# Altium PCB DevKitWRM1470-r1.0.PcbDoc (continued)
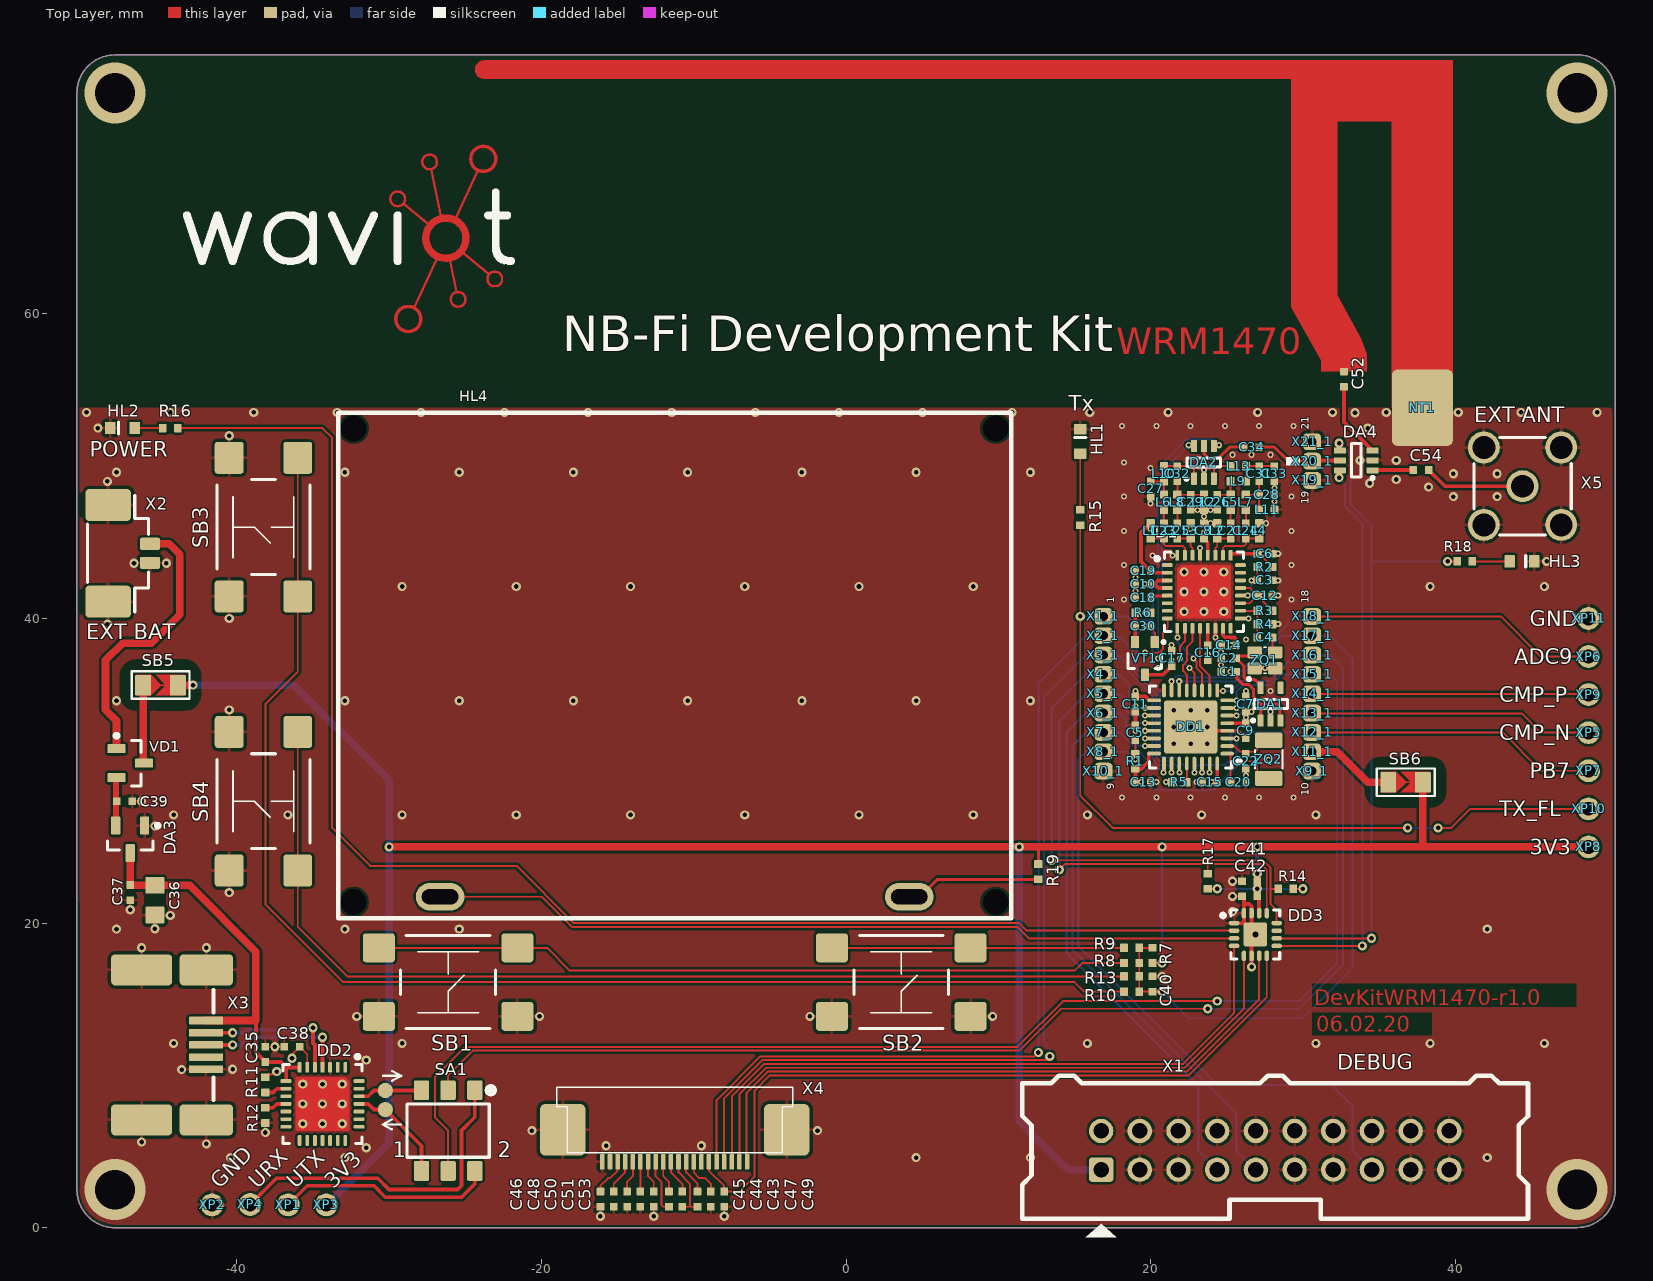
[diagram p0: Top Layer view]
## Footprints (in the part's own frame and the unit in brackets; to place one, negate y for a bottom-side part, rotate by r counter-clockwise, add the part's x,y. Pads: shape width x height; smd on the part's side, far side on the other; paste and mask are expansions set on the pad) (continued)
NETTIE-5.0x4.0 [mm]
  rrect25% 2.8x4 smd mask+0.075: 1(-1.1,0) 2(1.1,0)
PAD-d0.6-h1.1-l1.2 [mm]
  rrect50% 1.2x1.1 / inner rrect50% 1.1x1.1 / far side rrect50% 2x1.1 hole 0.6 mask+0.05: 1(0,0)
QFN16 [mm] "QFN-16, 16-Leads, Body 3,00x3,00mm, Pitch 0,50mm"
  oval 0.7x0.3 smd: 1(-1.4,0.75) 2(-1.4,0.25) 3(-1.4,-0.25) 4(-1.4,-0.75) 9(1.4,-0.75) 10(1.4,-0.25) 11(1.4,0.25) 12(1.4,0.75)
  oval 0.3x0.7 smd: 5(-0.75,-1.4) 6(-0.25,-1.4) 7(0.25,-1.4) 8(0.75,-1.4) 13(0.75,1.4) 14(0.25,1.4) 15(-0.25,1.4) 16(-0.75,1.4)
  rrect15% 1.55x1.55 smd: 17(0,0)
  silkscreen extent -2.22,-1.6 1.6,1.6, body extent -1.5,-1.5 1.5,1.5, height 0.9
QFN28 [mm] "QFN, 28-Leads, Body 5,00x5,00mm, Pitch 0,50mm, Thermal Pad 3,5x3,5mm"
  rrect50% 0.7x0.25 smd: 1(-2.4,1.5) 2(-2.4,1) 3(-2.4,0.5) 4(-2.4,0) 5(-2.4,-0.5) 6(-2.4,-1) 7(-2.4,-1.5) 15(2.4,-1.5) 16(2.4,-1) 17(2.4,-0.5) 18(2.4,0) 19(2.4,0.5) 20(2.4,1) 21(2.4,1.5)
  rrect50% 0.25x0.7 smd: 8(-1.5,-2.4) 9(-1,-2.4) 10(-0.5,-2.4) 11(0,-2.4) 12(0.5,-2.4) 13(1,-2.4) 14(1.5,-2.4) 22(1.5,2.4) 23(1,2.4) 24(0.5,2.4) 25(0,2.4) 26(-0.5,2.4) 27(-1,2.4) 28(-1.5,2.4)
  round 0.6 hole 0.3: 29(0,0)
  Top Layer region: -1.75,1.5 -1.5,1.75 1.7,1.75 1.75,1.7 1.75,-1.7 1.7,-1.75 -1.7,-1.75 -1.75,-1.7
  silkscreen extent -3.22,-2.6 2.6,2.6, body extent -2.6,-2.6 2.6,2.6, height 1
QFN32 [mm] "QFN, 32-Leads, Body 5,00x5,00mm, Pitch 0,50mm, Thermal Pad 3,5x3,5mm"
  rrect50% 0.7x0.25 smd: 1(-2.4,1.75) 2(-2.4,1.25) 3(-2.4,0.75) 4(-2.4,0.25) 5(-2.4,-0.25) 6(-2.4,-0.75) 7(-2.4,-1.25) 8(-2.4,-1.75) 17(2.4,-1.75) 18(2.4,-1.25) 19(2.4,-0.75) 20(2.4,-0.25) 21(2.4,0.25) 22(2.4,0.75) 23(2.4,1.25) 24(2.4,1.75)
  rrect50% 0.25x0.7 smd: 9(-1.75,-2.4) 10(-1.25,-2.4) 11(-0.75,-2.4) 12(-0.25,-2.4) 13(0.25,-2.4) 14(0.75,-2.4) 15(1.25,-2.4) 16(1.75,-2.4) 25(1.75,2.4) 26(1.25,2.4) 27(0.75,2.4) 28(0.25,2.4) 29(-0.25,2.4) 30(-0.75,2.4) 31(-1.25,2.4) 32(-1.75,2.4)
  round 0.6 hole 0.3: 33(0,0)
  Top Layer region: -1.75,1.5 -1.5,1.75 1.7,1.75 1.75,1.7 1.75,-1.7 1.7,-1.75 -1.7,-1.75 -1.75,-1.7
  silkscreen extent -3.2,-2.6 2.6,2.6, body extent -2.5,-2.5 2.5,2.5, height 0.94
QSMD2.0x1.6x0.7 [mm]
  rrect25% 0.95x0.8 smd: 1(-0.675,-0.525) 2(0.675,-0.525) 3(0.675,0.525) 4(-0.675,0.525)
  silkscreen extent -1.15,-1.32 0.08,0.85, body extent -1.05,-0.85 1.05,0.85, height 0.56
QSMD3.2X1.5X0.8 [mm]
  rrect25% 1x1.8 smd: 1(-1.25,0) 3(1.25,0)
  silkscreen extent -0.6,-0.9 0.6,0.9, body extent -1.6,-0.75 1.6,0.75, height 0.71
R0402 [mm] "Chip Resistor 0402"
  rrect10% 0.5x0.55 smd: 1(-0.5,0) 2(0.5,0)
  Top Layer pour cut-out: -0.15,0.375 0.15,0.375 0.15,-0.375 -0.15,-0.375
  body extent -0.57,-0.27 0.58,0.28, height 0.41
SB0805 [mm] "Solder Jumper 0805"
  rrect10% 1.05x1.35 smd: 1(-1.15,0) 2(1.125,0)
  Top Layer region: -1.6,0.675 -0.625,0.675 0.05,0 -0.625,-0.675 -1.6,-0.675
  Top Layer region: 1.55,0.675 -0.325,0.675 0.35,0 -0.325,-0.675 1.55,-0.675
  silkscreen extent -1.9,-0.9 1.9,0.9
SOT23-3L [mm] "SOT23, 3-Leads, Body 2.9x1.3mm, Pitch 0.95mm, Lead Span 2.5mm, IPC High Density"
  rrect25% 0.6x1.2 smd: 1(-0.95,-0.9) 2(0.95,-0.9) 3(0,0.9)
  silkscreen extent -1.92,-1.02 1.5,0.7, body extent -1.45,-1.4 1.45,1.4, height 1.3
SOT323 [mm] "SOT323, 3-Leads, Body 2,00x2,10mm, Pitch 0,65mm, IPC Medium Density"
  rrect25% 0.55x0.8 smd: 1(-0.65,-1.075) 2(0.65,-1.075) 3(0,1.075)
  silkscreen extent -1.32,-1.17 1.1,0.67, body extent -1.1,-1.15 1.1,1.15, height 1.1
SOT323-5 [mm] "SOT323, 5-Leads, Body 2,00x2,10mm, Pitch 0,65mm, IPC Medium Density"
  rrect25% 0.4x0.8 smd: 1(-0.65,-1.075) 2(0,-1.075) 3(0.65,-1.075) 4(0.65,1.075) 5(-0.65,1.075)
  silkscreen extent -1.25,-1.17 1.1,0.3, body extent -1.1,-1.1 1.1,1.1, height 1.1
SOT323-6 [mm] "SOT323, 6-Leads, Body 2,00x2,10mm, Pitch 0,65mm, IPC Medium Density"
  rrect25% 0.4x0.8 smd: 1(-0.65,-1.075) 2(0,-1.075) 3(0.65,-1.075) 4(0.65,1.075) 5(0,1.075) 6(-0.65,1.075)
  silkscreen extent -1.25,-1.17 1.1,0.3, body extent -1.1,-1.2 1.1,1.2, height 1
UFQFPN32 [mm] "QFN, 32-Leads, Body 5,00x5,00mm, Pitch 0,50mm, Thermal Pad 3,50x3,50mm, IPC Medium Density"
  oval 0.9x0.25 smd: 1(-2.4,1.75) 2(-2.4,1.25) 3(-2.4,0.75) 4(-2.4,0.25) 5(-2.4,-0.25) 6(-2.4,-0.75) 7(-2.4,-1.25) 8(-2.4,-1.75) 17(2.4,-1.75) 18(2.4,-1.25) 19(2.4,-0.75) 20(2.4,-0.25) 21(2.4,0.25) 22(2.4,0.75) 23(2.4,1.25) 24(2.4,1.75)
  oval 0.25x0.9 smd: 9(-1.75,-2.4) 10(-1.25,-2.4) 11(-0.75,-2.4) 12(-0.25,-2.4) 13(0.25,-2.4) 14(0.75,-2.4) 15(1.25,-2.4) 16(1.75,-2.4) 25(1.75,2.4) 26(1.25,2.4) 27(0.75,2.4) 28(0.25,2.4) 29(-0.25,2.4) 30(-0.75,2.4) 31(-1.25,2.4) 32(-1.75,2.4)
  rrect10% 3.5x3.5 smd: 33(0,0)
  silkscreen extent -3.3,-2.7 2.7,2.7, body extent -2.6,-2.6 2.6,2.6, height 0.6

## Part data
C1 C2 C3: library part CC0402KRX5R5BB105, "CAP CER 1UF 6.3V X5R 0402", PartNumber=CC0402KRX5R5BB105
C4: library part CC0402JRX7R9BB102, "CAP CER 1000PF 50V X7R 0402", PartNumber=CC0402JRX7R9BB102
C5 C6 C8 C9 C10 C11 C12 C13 C14 C15 C16 C18 C19 C30 C35 C37 C38 C39 C40 C42: library part CC0402KRX7R8BB104, "CAP CER 0.1UF 25V X7R 0402", PartNumber=CC0402KRX7R8BB104
C7 C17 C41: library part CC0402KRX5R5BB475, "CAP CER 4.7UF 6.3V X5R 0402", PartNumber=CC0402KRX5R5BB475
C20 C22: library part CC0402CRNPO9BN7R5, "CAP CER 7.5PF 50V C0G/NPO 0402", PartNumber=CC0402CRNPO9BN7R5
C21 C24 C31 C32: library part CC0402BRNPO9BN2R7, "CAP CER 2.7PF 50V C0G/NPO 0402", PartNumber=CC0402BRNPO9BN2R7
C23 C25: library part CC0402JRNPO9BN101, "CAP CER 100PF 50V C0G/NPO 0402", PartNumber=CC0402JRNPO9BN101
C26 C27: library part CC0402CRNPO9BN6R2, "CAP CER 6.2PF 50V NPO 0402", PartNumber=CC0402CRNPO9BN6R2
C28 C29 C52: library part CC0402BRNPO9BN3R6, "CAP CER 3.6PF 50V NPO 0402", PartNumber=CC0402BRNPO9BN3R6
C33: library part CC0402CRNPO9BN5R1, "CAP CER 5.1PF 50V C0G/NPO 0402", PartNumber=CC0402CRNPO9BN5R1
C34 C54: library part CC0402JRNPO9BN331, "CAP CER 330PF 50V C0G/NPO 0402", PartNumber=CC0402JRNPO9BN331
C36: library part CL21A106KAFN3NE, "CAP CER 10UF 25V X5R 0805", PartNumber=CL21A106KAFN3NE
C43 C44 C45 C46 C47 C48 C49 C50 C51 C53: library part CC0402KRX5R7BB105, "CAP CER 1UF 16V X5R 0402", PartNumber=CC0402KRX5R7BB105
D1: "Waviot NB-Fi RF Transceiver QFN32", PartNumber="SWS1470-A0 QFN32"
DA1: "IC REG LINEAR 1.8V 80MA SC88A", PartNumber=NCP502SQ18T2G
DA2 DA4: library part MASWSS0115x, "RF Switch ICs DC-3.0GHz ISO 22dB IL <.3dB @ 2.4GHz", PartNumber=MASWSS0115TR-3000
DA3: "IC REG LINEAR 3.3V 300MA SOT23-3", PartNumber=AP2210N-3.3TRG1
DD1: "ARM® Cortex®-M0+ STM32L0 Microcontroller IC 32-Bit 32MHz 128KB (128K x 8) FLASH 32-UFQFPN (5x5)", PartNumber=STM32L071KBU6
DD2: "IC USB-TO-UART BRIDGE 28VQFN", PartNumber=CP2102-GMR
DD3: "IC I/O EXPANDER I2C 8B 16QFN", PartNumber=PCA9554ARGTR
HL1: "LED Red 0603 1.95V Forward voltage typ.", PartNumber=KP-1608SURCK
HL2 HL3: "Led Green 0603 2.2V Forward voltage typ.", PartNumber=KPH-1608SGD
HL4: "Display Graphical with LED-backlight", PartNumber=JHD12864
L1 L3: library part LQW15AN82NG00D, "FIXED IND 82NH 130MA 2.24 OHM", PartNumber=LQW15AN82NG00D
L2 L4 L5 L7: library part LQW15AN18NG00D, "FIXED IND 18NH 370MA 270 MOHM", PartNumber=LQW15AN18NG00D
L6 L8 L9 L10 L11 L12: library part LQW15AN12NG00D, "FIXED IND 12NH 500MA 140 MOHM", PartNumber=LQW15AN12NG00D
L13: library part LQW15AN6N8G00D, "FIXED IND 6.8NH 700MA 90 MOHM", PartNumber=LQW15AN6N8G00D
NT1: library part NT-1, "PCB Net Tie"
R1 R2 R7 R10 R11 R12: library part RC0402FR-0710KL, "RES SMD 10K OHM 1% 1/16W 0402", PartNumber=RC0402FR-0710KL
R3 R4: library part RC0402FR-071ML, "RES SMD 1M OHM 1% 1/16W 0402", PartNumber=RC0402FR-071ML
R5 R15 R16 R18: library part RC0402FR-071KL, "RES SMD 1K OHM 1% 1/16W 0402", PartNumber=RC0402FR-071KL
R6: library part RC0402FR-071RL, "RES SMD 1 OHM 1% 1/16W 0402", PartNumber=RC0402FR-071RL
R8: library part RC0402FR-07100RL, "RES SMD 100 OHM 1% 1/16W 0402", PartNumber=RC0402FR-07100RL
R9: library part RC0402FR-073K3L, "RES SMD 3.3K OHM 1% 1/16W 0402", PartNumber=RC0402FR-073K3L
R13: library part RC0402FR-0733KL, "RES SMD 33K OHM 1% 1/16W 0402", PartNumber=RC0402FR-0733KL
R14 R17: library part RC0402FR-074K7L, "RES SMD 4.7K OHM 1% 1/16W 0402", PartNumber=RC0402FR-07470RL
R19: library part RC0402FR-0722RL, "RES SMD 22 OHM 1% 1/16W 0402", PartNumber=RC0402FR-0722RL
SA1: "SWITCH SLIDE DPDT 100MA 6V", PartNumber=CAS-220TB
SB1 SB2 SB3 SB4: "SWITCH TACTILE SPST-NO 0.05A 24V", PartNumber=FSM4JSMATR
SB5 SB6: library part JS_0805, "Jumper Solder 0805"
VD1: "DIODE ARRAY SCHOTTKY 20V SOT23", PartNumber=PMEG2005CT
VT1: "MOSFET P-CH 20V 1A SOT323", PartNumber=PMF170XP
X1: "CONN MALE 20POS 2.54 (IDC-20MS)", PartNumber=BH-20
X1_1 X2_1 X3_1 X4_1 X5_1 X6_1 X7_1 X8_1 X9_1 X10_1 X11_1 X12_1 X13_1 X14_1 X15_1 X16_1 X17_1 X18_1 X19_1 X20_1 X21_1: library part PIN
X2: "CONN HEADER SMD 2POS 1.25MM", PartNumber=PLS-3
X3: "CONN RCPT USB2.0 MINI B SMD R/A", PartNumber=0548190572
X4: "CONN FFC BOTTOM 20POS 0.50MM R/A", PartNumber=0527462071
X5: "CONN SMA JACK STR 50 OHM PCB", PartNumber=5-1814832-1
ZQ1: library part NT2016SA-26.000000MHZ-NBG2, "TCXO Oscillator 4-pin", PartNumber=NT2016SA-26.000000MHZ-NBG2
ZQ2: library part "KX-327NHT 32.768 kHz", "Crystals 32.768KHz 12.5pF -40C +85C", PartNumber="KX-327NHT 32.768 kHz"

## Free pads (board coordinates)
  round 1 smd mask+0: 1(-30.25,7.75) 1(-30.25,9)

## Via types
v1: diameter 0.6, hole 0.3, Top Layer to Bottom Layer, tented both sides, 153 vias
v2: diameter 0.4, hole 0.2, Top Layer to Bottom Layer, tented both sides, 108 vias
v3: diameter 0.6, hole 0.3, Top Layer to Bottom Layer, tented bottom, 25 vias
v4: diameter 4, hole 2.6, Top Layer to Bottom Layer, 4 vias
v5: diameter 0.8, hole 0.4, Top Layer to Bottom Layer, tented both sides, 1 vias

## Nets (pads, with @x,y where several pads share a name; then routed paths per layer and width w, separated by ;. In a path a pad name is that pad's centre, name@x,y a point inside that pad or via, vN(x,y) a via of type N, cw(c..) or ccw(c..) an arc to the next point about the centre after c; other vN are vias at no path point)
+5V: C35.2 C36.1 C37.2 DA3.3 DD2.7 DD2.8 X3.1 | length 26.3
  Top Layer w0.25: -38.75,13.625 -38.75,13.6 -38.75,11.5 C35.2 -37.1,10.875 -36.75,10.525 ; DD2.8 -36.75,9.625 -36.75,10.525 ; DD2.7 -36.75,10.525
  Top Layer w0.5: C37.2@-47,22.475 C36.1 -43.1,22.475 -38.75,18.125 -38.75,13.625 ; C37.2 DA3.3 ; X3.1 -38.75,13.6
ADC8: C40.2 DD1.14 R7.1 R8.2 R9.2 R10.2 R13.2 X17_1.1 | length 53.4
  Top Layer w0.125: R9.2 R8.2 R13.2 R10.2 C40.2 v1(20.75,15.5) ; R9.2 R7.1
  Bottom Layer w0.125: v1(20.75,15.5) 22.5,13.75 30,13.75 33.25,17 33.25,37.375 31.775,38.85 28.579,38.85 25.591,35.863 21.887,35.863 v2(21.875,35.875)
ADC9: DD1.15 X18_1.1 XP6.1 | length 29.7
  Top Layer w0.125: 31.225,40.12 43.005,40.12 45.625,37.5 XP6.1
  Bottom Layer w0.125: v2(21.375,35.875) 21.375,35.888 21.725,36.238 22.262,36.238 22.387,36.113 25.487,36.113 29.495,40.12 X18_1.1@30.6,40.12
ANT_PCB: C52.2 NT1.1
ANT_SEL_V1: DA4.6 DD3.9 | length 37.5
  Top Layer w0.125: DD3.9 v1(33.902,18.5) ; v1(32.375,49.25) 32.375,49.675 DA4.6
  Bottom Layer w0.125: v1(32.375,49.25) 32.75,48.875 32.75,47.375 33.902,46.223 v1(33.902,18.5)
ANT_SEL_V2: DA4.4 DD3.10 R18.1 | length 45.7
  Top Layer w0.125: DD3.10 v1(34.5,19) ; v1(32.375,51.5) 32.375,51.075 DA4.4 ; v1(39.5,43.75) R18.1
  Bottom Layer w0.125: v1(32.375,51.5) 33.125,50.75 33.125,47.5 34.5,46.125 v1(34.5,19) ; 34.5,43.75 v1(39.5,43.75)
CHIP_IRQ: D1.8 DD1.18 | length 7.1
  Top Layer w0.125: v2(19.625,37.75) 20.562,37.75 20.812,38 20.812,39.063 21.125,39.375 21.125,39.975 D1.8
  PWR w0.125: v2(19.625,34.125) v2(19.625,37.75)
CHIP_NPWR: DD1.28 R5.1 | length 1.2
  Top Layer w0.125: R5.1 DD1.28
CHIPVCC: C1.2 C6.2 C8.2 C10.2 C12.2 C14.2 C17.2 D1.3 D1.4 D1.15 D1.19 D1.21 D1.25 D1.28 DA1.1 DA1.3 R2.2 R3.2 VT1.3 | length 46.1
  Top Layer w0.125: D1.19@25.875,41 26.5,41 26.625,41.125 C12.2 26.75,41.75 26.5,42 D1.21@25.875,42 ; v2(27.375,41.5) 27.375,41.125 R3.2 ; v2(27.375,44.25) 27.375,44.025 28,43.4 R2.2
  Top Layer w0.2: C1.2 25.625,36.103 26.053,35.675 26.426,35.675 26.75,35.351 26.75,34.875 27.25,34.375 ; DA1.1 27.25,34.375 ; DA1.3@28.5,33.25 28.5,34.188 28.312,34.375 27.25,34.375
  Top Layer w0.25: VT1.3 20.8,36.3 21.25,36.75 C17.2 ; D1.4 20.5,42 20.375,42.125 20.125,42.125 C10.2 20.125,42.375 20.375,42.375 20.5,42.5 D1.3 ; C8.2 23.75,45 D1.28 ; D1.15 24.75,38.896 24.896,38.75 25.5,38.75 25.625,38.625 C14.2 ; D1.25@25.25,44.25 C6.2
  PWR w0.25: v2(19.625,42.25) 20.875,42.25 ; v2(21.375,37.25) 20.875,37.75 20.875,39.25 ; v2(23.5,45.625) 23.125,45.25 21.625,45.25 20.875,44.5 20.875,42.25 ; v2(25.25,36.5) v2(25.25,38.25) 25.25,39.25 ; v2(27.375,44.25) v2(27.375,41.5) 27.375,40.188 26.437,39.25 25.25,39.25 ; 20.875,39.25 20.875,42.25 ; 20.875,39.25 25.25,39.25
CMP_N: DD1.6 X13_1.1 XP5.1 | length 23.6
  Top Layer w0.125: 31.225,33.77 44.355,33.77 45.625,32.5 XP5.1
  Bottom Layer w0.125: v2(25.625,33.625) 25.75,33.625 26.5,34.375 28.75,34.375 29.355,33.77 X13_1.1@30.6,33.77
CMP_P: DD1.7 X14_1.1 XP9.1 | length 22.9
  Top Layer w0.125: 31.225,35.04 XP9.1@48.71,35.04
  Bottom Layer w0.125: v2(25.625,34.125) 25.875,34.125 26.375,34.625 29,34.625 29.415,35.04 X14_1.1@30.6,35.04
  Bottom Layer w0.15: XP9.1@48.71,35.04 XP9.1
GND: C1.1 C2.1 C3.1 C5.2 C6.1 C7.2 C8.1 C9.2 C10.1 C11.2 C12.1 C13.2 C14.1 C15.2 C16.1 C17.1 C18.1 C19.1 C20.2 C22.2 C26.2 C27.2 C28.2 C29.2 C33.1 C35.1 C36.2 C37.1 C38.1 C39.1 C40.1 C41.1 C42.1 C46.1 C47.1 C48.1 C49.1 C50.1 C51.1 C53.1 D1.14 D1.17 D1.29 D1.32 D1.33 DA1.2 DA2.2 DA3.1 DA4.2 DD1.4 DD1.16 DD1.30 DD1.31 DD1.33 DD2.3 DD2.29 DD3.1 DD3.6 DD3.15 DD3.16 DD3.17 HL1.2 HL2.2 HL3.2 L2.2 L4.2 L11.1 L12.1 NT1.2 R4.1 R12.1 SB1.3 SB1.4 SB2.3 SB2.4 SB3.3 SB3.4 SB4.3 SB4.4 X1.3 X1.4 X1.5 X1.6 X1.8 X1.10 X1.11 X1.12 X1.13 X1.14 X1.16 X1.17 X1.18 X1.19 X1.20 X2.2 X2.3 X3.5 X3.6 X4.7 X4.19 X4.20 X4.21 X5.2 X9_1.1 X10_1.1 X19_1.1 X21_1.1 XP2.1 XP11.1 ZQ1.1 ZQ1.2 | length 17.9
  Top Layer w0.25: C5.2 C11.2 ; v3(22.625,32.875) 22.875,32.625 DD1.4 25.75,32.625 C9.2 ; D1.14 v2(24.25,38.75) 24.279,38.721 24.279,38.596 C14.1 ; DD3.1 25.485,19.99 26.125,19.99 ; C42.1 26.125,21.625 26.125,21.125 ; v1(26.625,17.125) DD3.6@26.625,17.875 ; DD3.6 DD3.17@26.625,19 ; v5(26.875,19.25) DD3.17@26.625,19.5 ; 26.125,21.125 26.125,21.25 26.469,21.25 26.615,21.104 26.615,20.66 DD3.15 DD3.17@26.625,19.5 ; 26.125,21.125 DD3.16 26.125,20 DD3.17@26.625,19.5
  Top Layer w0.3: C17.1@21.275,37.775 C17.1 ; C17.1@21.375,37.973 v2(21.375,38.25) ; C16.1@23.75,37.152 C16.1 ; v2(23.75,37.625) C16.1 ; C16.1@23.85,37.15 C16.1 ; C1.1 C2.1 C14.1 ; ZQ1.1@26.812,36.75 26.837,36.725 ZQ1.2
  other v1: -16.125,0.75 -12.625,0.75 -8,0.75 -40.4,4.6 -32.9,4.6 4.6,4.6 12.1,4.6 42.1,4.6 -31.5,5.25 -15.75,5.375 -9.5,5.375 -42,5.5 -46.25,5.625 -38.125,6.25 -20.625,6.375 -1.875,6.375 -43.625,10.375 -40.275,10.4 -31.5,11 -37.5,11.875 -44.15,12.1 -29.15,12.1 15.85,12.1 30.85,12.1 38.35,12.1 45.85,12.1 -32.125,13.875 -20.125,13.875 -2.375,13.875 9.625,13.875 20.75,16.5 -46.25,18.375 -42,18.375 -47.9,19.6 -32.9,19.6 -25.4,19.6 42.1,19.6 -45.375,19.625 -44.375,20.5 25.375,20.75 -47,20.875 25.375,21.75 -40.5,22 25.375,22.75 -45.375,26.375 -44.15,27.1 -36.65,27.1 -29.15,27.1 -21.65,27.1 -14.15,27.1 -6.65,27.1 0.85,27.1 8.35,27.1 15.85,27.1 23.35,27.1 30.85,27.1 -46.25,28 -40.5,34 -47.9,34.6 -32.9,34.6 -25.4,34.6 -17.9,34.6 -10.4,34.6 -2.9,34.6 4.6,34.6 12.1,34.6 -48.5,39.625 -40.5,40 -29.15,42.1 -21.65,42.1 -14.15,42.1 -6.65,42.1 0.85,42.1 8.35,42.1 38.35,42.1 45.85,42.1 -46.75,43.625 -44.625,43.625 46,43.75 39.875,48 42.75,48 38.25,48.625 34.375,48.875 -48.5,49 36.125,49.125 39.875,49.5 42.75,49.5 -47.9,49.6 -32.9,49.6 -25.4,49.6 -17.9,49.6 -10.4,49.6 -2.9,49.6 4.6,49.6 12.1,49.6 33.75,50.375 36.125,50.375 -40.5,52 -49.125,52.5 34.25,52.5 33.417,53.509 -49.871,53.534 -44.382,53.534 -38.893,53.534 -33.403,53.534 -27.914,53.534 -22.425,53.534 -16.936,53.534 -11.447,53.534 -5.958,53.534 -0.468,53.534 5.021,53.534 10.896,53.534 15.999,53.534 21.146,53.534 27.021,53.534 31.942,53.534 35.467,53.534 40.192,53.534 44.317,53.534 49.317,53.534
  other v2: 18.125,28.25 20.375,28.25 22.625,28.25 24.875,28.25 27.125,28.25 29.375,28.25 20.375,29.25 23,29.25 26.25,29.688 23.375,29.875 23.875,29.875 27.75,30.75 19,32.625 27.875,33.875 19,34.25 26.25,35.25 27.875,35.25 27.5,36.75 24.625,36.938 24.625,37.813 26.25,38.625 28.375,39.625 26.437,40 18.25,41.25 29.25,41.25 28.375,41.5 19,41.813 28.375,42.5 19,42.688 18.25,43.5 29.25,43.5 20.125,44.125 21.437,44.125 28.375,44.25 23.25,44.625 18.25,45.75 29.25,45.75 23.937,46.25 27.562,46.25 23.5,46.688 23.062,47.125 23.937,47.125 20,47.563 28.125,47.688 18.25,48 29.25,48 28.125,48.563 23.5,49.75 20,49.875 18.25,50.25 25.375,50.75 26.625,50.75 27.875,50.75 18.125,52.625 20.375,52.625 22.625,52.625 24.875,52.625 27.125,52.625 29.375,52.625
  other v3: -35.675,6.825 -34.375,6.825 -33.075,6.825 -35.675,8.125 -33.075,8.125 -35.675,9.425 -34.375,9.425 -33.075,9.425 21.525,31.775 22.625,31.775 23.725,31.775 21.525,32.875 23.725,32.875 21.525,33.975 22.625,33.975 23.725,33.975 22.2,40.45 23.5,40.45 24.8,40.45 22.2,41.75 24.8,41.75 22.2,43.05 23.5,43.05 24.8,43.05
  other v4: -48,2.5 48,2.506
I2C1_SCL: DD1.19 DD3.12 R14.1 X4_1.1 | length 37.9
  Top Layer w0.125: v1(13.5,24.125) 27.375,24.125 27.875,23.625 27.875,22.25 ; DD3.12 28.275,20.85 27.875,21.25 27.875,22.25 ; R14.1 27.875,22.25
  Bottom Layer w0.125: X4_1.1@16.875,36.25 18,36.25 18.612,35.638 18.612,34.125 19.112,33.625 v2(19.625,33.625)
  Bottom Layer w0.15: v1(13.5,24.125) 13.5,34.085 15.745,36.33 X4_1.1
I2C1_SDA: DD1.20 DD3.13 R17.1 X5_1.1 | length 33.7
  Top Layer w0.125: v1(14,23.5) 14.375,23.875 23.75,23.875 ; R17.1 23.75,23.875 ; DD3.13 27.625,23.5 27.25,23.875 23.75,23.875
  Bottom Layer w0.125: X5_1.1@16.9,35 18,35 18.362,34.638 18.362,33.986 19.223,33.125 v2(19.625,33.125)
  Bottom Layer w0.15: v1(14,23.5) 14,33.255 15.745,35 X5_1.1@15.9,35
LCD_A0: DD3.4 X4.3 | length 43.9
  Top Layer w0.125: X4.3@-7.5,4.375 -7.5,8.625 -5.375,10.75 22.125,10.75 25.475,14.1 DD3.4
LCD_CS: DD3.7 X4.1 | length 43.6
  Top Layer w0.125: X4.1@-6.525,4.3 -6.525,8.85 -5.125,10.25 22.375,10.25 27.125,15 DD3.7
LCD_MOSI: DD1.27 X2_1.1 X4.5 | length 68.3
  Top Layer w0.125: X4.5 -8.5,8.375 -5.625,11.25 12.375,11.25 v1(12.625,11.5)
  Bottom Layer w0.125: v1(12.625,11.5) 12.625,35.75 15.745,38.87 X2_1.1 ; X2_1.1@16.875,38.75 18,38.75 18.812,37.938 18.812,36.625 20.375,35.063 20.375,30.875 20.625,30.625 21.375,30.625 21.906,30.094 v2(21.906,29.875)
LCD_PWR: C49.2 DD3.8 X4.6 | length 49.3
  Top Layer w0.125: X4.6 -9,3.75 -8,2.75 C49.2 -7,2.375 -6,3.375 -6,9 -5,10 22.5,10 27.625,15.125 DD3.8
LCD_RESET: DD3.5 X4.2 | length 43.4
  Top Layer w0.125: X4.2 -7,8.75 -5.25,10.5 22.25,10.5 26.125,14.375 DD3.5
LCD_SCK: DD1.26 X3_1.1 X4.4 | length 66
  Top Layer w0.125: X4.4@-7.975,4.35 -8,4.375 -8,8.5 -5.5,11 13.125,11 v1(13.375,11.25)
  Bottom Layer w0.125: v1(13.375,11.25) 13.375,11.75 13,12.125 13,34.875 15.725,37.6 X3_1.1 ; X3_1.1@16.875,37.5 18,37.5 18.531,36.969 18.531,36.531 20.125,34.938 20.125,30.75 20.5,30.375 21.125,30.375 21.375,30.125 v2(21.375,29.875)
LDO_PA: C19.2 D1.2 L1.2 L3.2 | length 7.4
  Top Layer w0.25: L1.2 19.99,46.25 19.375,45.635 19.375,43.75 C19.2 20.125,43 D1.2
  PWR w0.25: v2(20,45.875) v2(22.625,45.875)
LPUART1_RX: DD1.9 SA1.2 X16_1.1 | length 91.8
  Top Layer w0.125: SA1.2 -26.125,10 -24.5,11.625 11.375,11.625 ; 11.372,11.622 14.125,14.375 v1(23.75,14.375) ; DD1.9 24.4,35.25 v2(24.75,35.25)
  Bottom Layer w0.125: v1(23.75,14.375) 29.75,14.375 32.625,17.25 32.625,36.75 31.795,37.58 29.455,37.58 27.762,35.888 25.97,35.888 25.332,35.25 v2(24.75,35.25)
LPUART1_TX: DD1.8 SA1.5 X15_1.1 | length 95.2
  Top Layer w0.125: SA1.5 -26.125,6.375 -27,7.25 -27,9.875 -25,11.875 11.25,11.875 14.25,14.875 v1(24.375,14.875)
  Bottom Layer w0.125: v1(24.375,14.875) 29.75,14.875 32.25,17.375 32.25,35.875 31.815,36.31 28.56,36.31 27.887,35.638 26.089,35.638 25.625,35.173 v2(25.625,34.625)
NBACKLIGHT: DD3.3 HL4.K | length 53.3
  Top Layer w0.125: HL4.K -19.975,21.725 -18,19.75 11.25,19.75 12,19 DD3.3@25.5,19
NetC2_2: C2.2 DA1.5 ZQ1.4 | length 4.3
  Top Layer w0.125: ZQ1.4@26.663,37.538 ZQ1.4@26.875,37.75
  Top Layer w0.2: ZQ1.4@26.663,37.538 25.787,37.538 C2.2 26.125,36.875 26.125,36.125 26.25,36 26.825,36 27.225,35.6 DA1.5
NetC3_2: C3.2 D1.20 R2.1 | length 2.5
  Top Layer w0.125: D1.20@25.875,41.5 v2(26.375,41.5) ; C3.2 R2.1
  Bottom Layer w0.125: v2(26.375,41.5) 26.625,41.75 v2(26.625,42.5)
NetC4_1: C4.1 ZQ1.3 | length 1
  Top Layer w0.125: C4.1 28,37.95 ZQ1.3
NetC4_2: C4.2 D1.18 R3.1 R4.2 | length 2.9
  Top Layer w0.125: D1.18@25.875,40.5 D1.18 R3.1 R4.2 C4.2
NetC16_2: C16.2 D1.13 | length 1.1
  Top Layer w0.2: C16.2 D1.13
NetC18_2: C18.2 D1.5 | length 1.2
  Top Layer w0.2: C18.2 20.1,41.475 21.075,41.475 D1.5
NetC20_1: C20.1 DD1.1 ZQ2.1 | length 5.3
  Top Layer w0.125: DD1.1@25,31.125 25.25,31.125 25.25,30.625 ; C20.1 25.25,30.25 25.25,30.625 ; ZQ2.1 27.47,29.5 27,29.97 27,30.375 26.75,30.625 25.25,30.625
NetC21_1: C21.1 D1.27 L2.1 | length 2
  Top Layer w0.125: D1.27 24.25,44.625 24.375,44.75 L2.1 C21.1
NetC21_2: C21.2 L5.1 | length 0.9
  Top Layer w0.125: C21.2 L5.1
NetC22_1: C22.1 DD1.2 ZQ2.3 | length 3.6
  Top Layer w0.125: DD1.2 25.5,31.625 25.875,31.25 26.875,31.25 27,31.375 ZQ2.3@27,31.625 ; ZQ2.3@27,31.875 ZQ2.3@27,31.625 ; ZQ2.3 27.375,32 ZQ2.3@27,31.625
NetC23_1: C23.1 D1.31 L1.1 | length 3.2
  Top Layer w0.125: L1.1 C23.1 20.875,44.875 21,44.75 22.125,44.75 22.25,44.625 D1.31
NetC23_2: C23.2 L6.1 | length 0.9
  Top Layer w0.125: C23.2 L6.1
NetC24_1: C24.1 D1.26 L4.1 | length 3.3
  Top Layer w0.125: D1.26 24.75,44.625 24.875,44.75 26.125,44.75 26.25,44.875 C24.1 L4.1
NetC24_2: C24.2 L7.1 | length 0.9
  Top Layer w0.125: C24.2 L7.1
NetC25_1: C25.1 D1.30 L3.1 | length 2
  Top Layer w0.125: C25.1 L3.1 22.625,44.75 22.735,44.64 22.735,44.165 D1.30
NetC25_2: C25.2 L8.1 | length 0.9
  Top Layer w0.125: C25.2 L8.1
NetC26_1: C26.1 L5.2 L9.1 | length 1.7
  Top Layer w0.125: C26.1 L5.2 L9.1
NetC27_1: C27.1 L6.2 L10.1 | length 1.7
  Top Layer w0.125: C27.1 L10.1 L6.2
NetC28_1: C28.1 C31.1 L7.2 L11.2 | length 2.8
  Top Layer w0.125: L7.2 C28.1 ; L11.2 C28.1 ; C31.1 C28.1
NetC29_1: C29.1 C32.1 L8.2 L12.2 | length 2.6
  Top Layer w0.125: C32.1 L8.2 C29.1 L12.2
NetC30_1: C30.1 R5.2 VT1.1 | length 14.7
  Top Layer w0.125: C30.1 20.187,39.312 20.187,39.125 20.275,39.038 VT1.1
  Bottom Layer w0.125: v2(19.625,39.5) 19.062,38.938 19.062,36.75 20.625,35.188 20.625,31 20.75,30.875 21.625,30.875 22.375,30.125 22.375,29.625 22,29.25 v2(21,29.25)
NetC30_2: C30.2 R6.2 VT1.2 | length 2
  Top Layer w0.25: VT1.2@19,38.375 18.987,38.388 18.987,39.487 C30.2 R6.2
NetC31_2: C31.2 C33.2 L9.2 L13.1 | length 2.9
  Top Layer w0.125: L9.2 L13.1 C33.2
NetC32_2: C32.2 DA2.1 L10.2 | length 2.7
  Top Layer w0.125: L10.2 C32.2 22.6,50 22.85,49.75 DA2.1
NetC34_1: C34.1 DA4.5 X20_1.1 | length 5.7
  Top Layer w0.2: C34.1 28.125,51.25 29.025,50.35 30.575,50.35 X20_1.1@30.6,50.375
  Top Layer w0.25: X20_1.1@30.6,50.375 DA4.5
NetC34_2: C34.2 DA2.5 | length 3.6
  Top Layer w0.2: DA2.5@23.5,51.375 DA2.5 23.5,50.813 23.812,50.5 24.437,50.5 25.187,51.25 C34.2
NetC39_2: C39.2 DA3.2 VD1.2 | length 3.2
  Top Layer w0.4: DA3.2 -47.925,26.425 -47.925,29.525 VD1.2
NetC43_1: C43.1 C44.1 X4.10 | length 4.5
  Top Layer w0.125: X4.10 -11,3.625 -10.25,2.875 -10.25,1.375 ; C44.1@-10.875,1.375 C44.1 -10.25,1.375 ; C43.1@-9.625,1.375 C43.1 -10.25,1.375
NetC43_2: C43.2 X4.9 | length 2.3
  Top Layer w0.125: X4.9 -10.5,3.625 -9.75,2.875 C43.2
NetC44_2: C44.2 X4.11 | length 2.3
  Top Layer w0.125: X4.11 -11.5,3.625 -10.75,2.875 C44.2
NetC45_1: C45.1 X4.12 | length 2.1
  Top Layer w0.125: X4.12 -12,3.375 -11.625,3 C45.1
NetC45_2: C45.2 X4.13 | length 3.5
  Top Layer w0.125: X4.13 -12.5,3.375 -12.125,3 -12.125,1.5 -12,1.375 C45.2
NetC46_2: C46.2 X4.18 | length 2.5
  Top Layer w0.125: C46.2 -16.125,2.75 -15.625,3.25 -15.5,3.25 -15,3.75 X4.18
NetC47_2: C47.2 X4.8 | length 2.6
  Top Layer w0.125: X4.8 -10,3.625 -9.625,3.25 -9.25,3.25 -8.875,2.875 C47.2
NetC48_2: C48.2 X4.17 | length 2.3
  Top Layer w0.125: C48.2 -15.25,2.875 -14.5,3.625 X4.17@-14.5,4.275 ; X4.17@-14.525,4.3 X4.17@-14.5,4.275 ; X4.17 X4.17@-14.5,4.275
NetC50_2: C50.2 X4.16 | length 2.1
  Top Layer w0.125: C50.2 -14.375,3 -14,3.375 X4.16
NetC51_2: C51.2 X4.15 | length 1.9
  Top Layer w0.125: C51.2 X4.15
NetC52_1: C52.1 DA4.3 | length 5
  Top Layer w0.25: C52.1 32.692,52.908 DA4.3
NetC53_2: C53.2 X4.14 | length 2.1
  Top Layer w0.125: X4.14 -13,3.375 -12.625,3 C53.2
NetC54_1: C54.1 X5.1 | length 6.6
  Top Layer w0.25: C54.1 39.316,48.684 X5.1
NetC54_2: C54.2 DA4.1 | length 2.8
  Top Layer w0.2: DA4.1@34.5,49.75 DA4.1@34.513,49.737 ; C54.2@37.238,49.737 C54.2
  Top Layer w0.25: DA4.1@34.513,49.737 C54.2@37.238,49.737
NetDA2_3: DA2.3 L13.2 | length 1.8
  Top Layer w0.125: DA2.3 24.15,49.75 24.4,50 L13.2
NetDD2_4: DD2.4 X3.3 | length 9.8
  Top Layer w0.25: X3.3@-42,12 v1(-40.275,12) ; DD2.4@-34.375,10.5 v1(-34.375,12.5)
  Bottom Layer w0.25: v1(-40.275,12) -39.75,12 -39.25,12.5 v1(-34.375,12.5)
NetDD2_5: DD2.5 X3.2 | length 9.8
  Top Layer w0.25: X3.2@-42,12.75 -41.95,12.8 v1(-40.275,12.8) ; v1(-35,13.125) -35,12.125 -34.875,12 DD2.5
  Bottom Layer w0.25: v1(-40.275,12.8) -39.575,12.8 -39.375,13 -35.625,13 -35.5,13.125 v1(-35,13.125)
NetDD2_9: DD2.9 R11.1 | length 1.4
  Top Layer w0.25: R11.1 -37.625,8.875 -37.375,9.125 DD2.9@-36.85,9.125
NetDD2_11: DD2.11 R12.2 | length 1.4
  Top Layer w0.25: R12.2 -37.625,7.875 -37.375,8.125 DD2.11@-36.85,8.125
NetDD2_25: DD2.25 pad.1@-30.25,7.75 SA1.6 | length 6.9
  Top Layer w0.25: DD2.25 -31.375,8.125 -31,7.75 -30.25,7.75 -27.875,5.375 SA1.6
NetDD2_26: DD2.26 pad.1@-30.25,9 SA1.3 | length 4.3
  Top Layer w0.25: DD2.26 -31.375,8.625 -31,9 -30.25,9 SA1.3@-27.875,9
NetHL1_1: HL1.1 R15.2 | length 3.7
  Top Layer w0.125: R15.2 HL1.1
NetHL2_1: HL2.1 R16.2 | length 1.8
  Top Layer w0.125: HL2.1 R16.2
NetHL3_1: HL3.1 R18.2 | length 2.5
  Top Layer w0.125: R18.2 HL3.1@43.625,43.75
NetHL4_A: HL4.A R19.1 | length 9
  Top Layer w0.2: HL4.A 4.85,21.725 6,22.875 R19.1
NetSA1_1: SA1.1 XP4.1 | length 21.6
  Top Layer w0.25: XP4.1 -37.4,3.25 -30.75,3.25 -30,2.5 -25.5,2.5 -25.25,2.75 -25.25,6.375 -24.375,7.25 SA1.1
NetSA1_4: SA1.4 XP1.1 | length 14.3
  Top Layer w0.25: XP1.1 -35.375,2.75 -31,2.75 -30.25,2 -25.25,2 -24.375,2.875 SA1.4
NetVD1_1: VD1.1 X2.1 | length 18.4
  Top Layer w0.5: VD1.1 -47.9,33.275 -48.625,34 -48.625,37.25 -47.5,38.375 -45.625,38.375 -43.75,40.25 -43.75,44.201 -44.45,44.901 X2.1
NRST: C5.1 DD1.3 R1.2 X1.15 X8_1.1 | length 54.7
  Top Layer w0.125: R1.2@19,31.375 C5.1@19,32.125
  Bottom Layer w0.125: X8_1.1@16.875,31.25 X8_1.1 18.5,31.25 v2(19,30.75) 18.987,30.738 19.012,30.738 19.875,29.875 19.875,29.125 20.25,28.75 24.125,28.75 25.625,30.25 v2(25.625,32.125)
  Bottom Layer w0.15: X8_1.1@16.875,31.25 15.745,31.25 15.25,30.755 15.25,18.5 24.375,9.375 31.875,9.375 33.25,8 33.25,5.086 X1.15
PB7: DD1.29 X12_1.1 XP7.1 | length 28.5
  Top Layer w0.125: 31.225,32.52 43.105,32.52 45.625,30 XP7.1
  Bottom Layer w0.125: v2(22.875,29.875) 22.875,30.125 23.125,30.375 24.875,30.375 25.25,30.75 25.25,32.375 25.395,32.52 X12_1.1
POWER_LED: DD3.2 R16.1 | length 98.1
  Top Layer w0.125: R16.1 -34.375,52.5 -33.75,51.875 -33.75,26.25 -31.25,23.75 -21.625,23.75 -17.875,20 11.375,20 11.875,19.5 DD3.2@25.5,19.5
SB1: R8.1 SB1.1 SB1.2 | length 49.8
  Top Layer w0.125: SB1.2 SB1.1 -19.625,18.375 -18.125,16.875 15,16.875 15.5,17.375 R8.1
SB2: R9.1 SB2.1 SB2.2 | length 19.2
  Top Layer w0.125: SB2.2 SB2.1 R9.1
SB3: R10.1 SB3.1 SB3.2 | length 88.9
  Top Layer w0.125: SB3.2 SB3.1 -36,36.5 -38.125,34.375 -38.125,21.25 -33,16.125 15,16.125 15.625,15.5 R10.1
SB4: R13.1 SB4.1 SB4.2 | length 68.4
  Top Layer w0.125: SB4.2 SB4.1 -36,19.75 -32.75,16.5 R13.1
SPI1_MISO: D1.10 DD1.12 | length 4.6
  Top Layer w0.125: v2(21.937,37.375) 21.937,38.188 22.25,38.5 D1.10 ; v2(22.562,36.75) 22.875,36.438 DD1.12
  Bottom Layer w0.125: v2(21.937,37.375) v2(22.562,36.75)
SPI1_MOSI: D1.11 DD1.13 | length 4.5
  Top Layer w0.125: DD1.13@22.375,35.25 22.375,36.313 22.125,36.563 22.125,36.938 22.375,37.188 22.375,38.125 22.75,38.5 22.75,38.625 ; 22.75,38.625 D1.11
SPI1_NSS: D1.12 DD1.10 | length 4.4
  Top Layer w0.125: D1.12 23.25,36.875 23.875,36.25 DD1.10@23.875,35.25
SPI1_SCK: D1.9 DD1.11 | length 4.7
  Top Layer w0.125: v2(21.75,38.75) D1.9 ; v2(22.812,37.375) 23,37.188 23,36.979 23,36.75 23.375,36.375 DD1.11
  Bottom Layer w0.125: v2(21.75,38.75) 21.75,38.438 v2(22.812,37.375)
SWCLK: DD1.25 X1.9 X7_1.1 | length 39.2
  Bottom Layer w0.125: X7_1.1@16.9,32.5 18,32.5 20.375,30.125 20.625,30.125 20.844,29.906 v2(20.844,29.875)
  Bottom Layer w0.15: X7_1.1@15.9,32.5 15.745,32.5 14.875,31.63 14.875,18.25 25.625,7.5 25.625,5.046 X1.9@26.862,3.809
SWDIO: DD1.23 X1.7 X6_1.1 | length 39.9
  Bottom Layer w0.125: X6_1.1@16.875,33.75 18,33.75 18.375,33.375 18.375,32.5 19.237,31.638 19.612,31.638 v2(19.625,31.625) v2@19.612,31.613
  Bottom Layer w0.15: X6_1.1 15.745,33.79 14.5,32.545 14.5,18 23.125,9.375 23.125,5.051 X1.7
TX_EN: DA2.4 DD1.22 R15.1 X1_1.1 XP10.1 | length 80.7
  Top Layer w0.125: R15.1@15.375,46.05 v1(15.375,40.14) 15.375,28.375 17.5,26.25 v1(36.875,26.25) ; v1(38.875,26.25) 39.75,26.25 41,27.5 XP10.1
  PWR w0.125: v2(19.625,32.125) 19.638,32.125 20.5,32.987 v2(20.5,36.75)
  Bottom Layer w0.125: v1(15.375,40.14) X1_1.1 18.485,40.14 18.75,39.875 20.125,39.875 ; v2(20.5,36.75) 20.125,37.125 20.125,39.875 ; v2(24.5,51.375) 24.125,51.75 22.362,51.75 20.5,49.888 20.5,42.375 20.125,42 20.125,39.875 ; v1(36.875,26.25) v1(38.875,26.25)
TX_NEN: DA2.6 DD1.21 | length 19.9
  PWR w0.125: v2(19.625,32.625) 19.638,32.625 20.125,33.112 20.125,37 v2(20.5,37.375)
  Bottom Layer w0.125: v2(20.5,37.375) 20.5,42 20.75,42.25 20.75,49.625 v2(22.5,51.375)
VCC: C7.1 C9.1 C11.1 C13.1 C15.1 C41.2 C42.2 DD1.5 DD1.17 DD1.24 DD1.32 DD3.14 R1.1 R6.1 R7.2 R14.2 R17.2 R19.2 SB5.1 SB5.2 SB6.1 SB6.2 VD1.3 X1.1 X11_1.1 XP3.1 XP8.1 | length 223.1
  Top Layer w0.125: SB5.1@-46.137,35.613 SB5.2 ; R7.2 v1(20.75,17.375) ; R17.2 v1(24.375,22.25) ; R14.2 v1(30,22.25) ; SB6.1@35.625,29.234 SB6.2@37.875,29.247
  Top Layer w0.2: R19.2 12.625,25
  Top Layer w0.25: C13.1 R1.1 19.375,30.125 19.875,30.625 DD1.24@19.875,31.125 ; C11.1 19.656,34.875 19.906,34.625 DD1.17 ; C15.1 DD1.32@24.375,30.5 ; DD1.5 C9.1@26.125,33.125 ; C9.1 C7.1 C7.1@26.25,34 ; C42.2 27.115,21.635 27.115,20.66 DD3.14
  Top Layer w0.5: VD1.3@-46.137,30.5 SB5.1@-46.137,35.613 ; SB5.2 v1(-42.875,35.625) ; v1(-30,25) v1(11.375,25) 12.625,25 37.875,25 ; X11_1.1 32.25,31.25 34.25,29.25 SB6.1 ; SB6.2 37.875,29.247 37.875,25 ; XP8.1 37.875,25
  PWR w0.25: 18.562,35.25 v2(19,35.25) ; v2(19.625,40.375) 18.55,39.3 18.55,30.075 v2(19.375,29.25) 19.825,28.8 23.55,28.8 v2(24,29.25) 26.25,31.5 v2@26.25,33.438
  PWR w0.3: v2(26.625,33.875) 27.187,33.875 28.5,32.563 ; 28.5,32.5 28.5,32 29.25,31.25 X11_1.1
  Bottom Layer w0.125: v1(20.75,17.375) v1(20.75,25) ; v1(24.375,22.25) v1(30,22.25)
  Bottom Layer w0.25: v1(27,23.25) v1(27,25)
  Bottom Layer w0.5: v1(-42.875,35.625) -36.25,35.625 -30,29.375 v1(-30,25) -30,5.563 XP3.1@-34.037,1.525 ; v1(11.375,25) 11.375,7 14.566,3.809 X1.1
  other v1: 27,22.25
  other v2: 26.25,33.5
VDD_CP2102: C38.2 DD2.6 R11.2 | length 4.7
  Top Layer w0.125: R11.2 -37.938,10.062 -37.691,10.062 -37.504,10.25 v1(-37.375,10.25) ; v1(-36.375,11.125) -36.284,11.216 -36.284,11.466 C38.2 -35.375,11.375 DD2.6@-35.375,10.6
  Bottom Layer w0.125: v1(-37.375,10.25) -36.5,11.125 v1(-36.375,11.125)
pads on no net: D1.1 D1.6 D1.7 D1.16 D1.22 D1.23 D1.24 DA1.4 DD2.1 DD2.2 DD2.10 DD2.12 DD2.13 DD2.14 DD2.15 DD2.16 DD2.17 DD2.18 DD2.19 DD2.20 DD2.21 DD2.22 DD2.23 DD2.24 DD2.27 DD2.28 DD3.11 HL4. X1.2 X3.4
copper on no net:
  other v4: -48,74.5 48,74.506

## Polygon pours and split planes (outlines as drawn)
GND on Bottom Layer "Bot Layer-GND" (solid, pour order 14): -48,0 cw(c-48,2.5) -50.5,2.5 -50.504,53.833 50.5,53.841 50.5,2.506 cw(c48,2.506) 48,0.006
GND on Bottom Layer "Bottom Layer-GND" (solid, pour order 12): 17.625,53.188 17.625,27.625 31.125,27.625 31.125,53.188
GND on Top Layer "Top Layer-GND" (solid, pour order 18): -48,0 cw(c-48,2.5) -50.5,2.5 -50.504,53.833 50.5,53.841 50.5,2.506 cw(c48,2.506) 48,0.006
GND on Top Layer "Top Layer-GND" (solid, pour order 16): 17.625,53.188 17.625,27.625 31.125,27.625 31.125,53.188
GND on PWR "PWR-GND" (solid, pour order 20): 17.625,53.188 17.625,27.625 31.125,27.625 31.125,53.188
GND on GND "Top Layer-GND" (solid, pour order 22): -48,0 cw(c-48,2.5) -50.5,2.5 -50.504,53.833 50.5,53.841 50.5,2.506 cw(c48,2.506) 48,0.006

## Keep-outs
Keep-Out Layer:
  lines w0.1: -50.505,74.501 -50.5,2.5 ccw(c-48,2.5) -48,0 48,0 ; -50.5,74.501 cw(c-48,74.501) -48,77.001 ; -48.005,77.001 48,77.001 ; 48,0.006 ccw(c48,2.506) 50.5,2.506 50.5,74.507 ccw(c48,74.507) 48,77.007

## Other copper
Top Layer:
  region net ANT_PCB: 31.192,56.945 29.242,60.445 29.242,75.434 -23.758,75.434 cw(c-23.758,76.034) -24.358,76.034 cw(c-23.758,76.034) -23.758,76.634 39.842,76.643 39.842,53.834 35.842,53.834 35.842,72.634 32.242,72.634 32.242,61.224 33.809,58.41 34.192,57.343 34.192,56.234 31.192,56.234
  region: 3755 vertices and 7 holes, not listed, extent -29.979,58.756 -22.525,71.088
  text "WRM1470" at 17.75,56.75 h3
  text "DevKitWRM1470-r1.0" at 30.725,14.6 h1
  text "06.02.20" at 30.875,12.875 h1

## Silkscreen, mask and mechanical layers (free items; w line width, h text height)
Top Overlay:
  drawing of 12 lines, arcs and shapes, not listed
  text "NB-Fi Development Kit" at -18.625,56.75 h4
  text "Tx" at 14.625,53.625 h1
  text "EXT ANT" at 41.25,52.875 h1
  text "21" at 30.375,52.375 h0.5 r90
  text "POWER" at -49.65,50.625 h1
  text "19" at 30.375,47.5 h0.5 r90
  text "1" at 17.625,41 h0.5 r90
  text "18" at 30.375,41 h0.5 r90
  text "GND" at 44.875,39.5 h1
  text "EXT BAT" at -49.875,38.625 h1
  text "ADC9" at 43.875,37 h1
  text "CMP_P" at 42.875,34.5 h1
  text "CMP_N" at 42.875,32 h1
  text "PB7" at 44.875,29.5 h1
  text "9" at 17.625,28.75 h0.5 r90
  text "10" at 30.375,28.375 h0.5 r90
  text "TX_FL" at 42.875,27 h1
  text "3V3" at 44.875,24.5 h1
  text "DEBUG" at 32.25,10.375 h1
  text "1" at -29.75,4.625 h1
  text "2" at -22.875,4.625 h1
  text "GND" at -41.125,2.5 h1 r45
  text "URX" at -38.625,2.5 h1 r45
  text "UTX" at -36.125,2.5 h1 r45
  text "3V3" at -33.625,2.5 h1 r45
Bottom Overlay:
  drawing of 6 lines, arcs and shapes, not listed
Top Solder:
  drawing of 8 lines, arcs and shapes, not listed
  text "WRM1470" at 17.75,56.75 h3
Courtyard Top:
  lines w0.1: 34.192,56.234 ccw(c34.192,56.234) 34.192,56.234 ; 34.192,56.234 31.192,56.234 31.192,56.945 29.242,60.445 29.242,75.434 -23.758,75.434 cw(c-23.758,76.034) -24.358,76.034 cw(c-23.758,76.034) -23.758,76.634 39.842,76.643 39.842,53.834 35.842,53.834 35.842,72.634 32.242,72.634 32.242,61.224 33.809,58.41 34.192,57.343 ; 34.192,56.234 34.192,57.343 ; 34.192,57.343 ccw(c34.192,57.343) 34.192,57.343 ; 34.192,56.609 ccw(c34.192,56.609) 34.192,56.609